# Altium PCB SDR_V21.PcbDoc (part 3 of 4)
Units mil, origin at the board's own origin, x right, y up, seen from the top; angles counter-clockwise.
Board outline 6000 x 4000 mil, 6 copper layers (Top Layer, DGND, Mid-Layer 2, Mid-Layer 3, Mid-Layer 4, Bottom Layer); 644 components, 321 nets, 2263 pads, 824 vias.
Unrouted connection lines stored in the file: 1227.
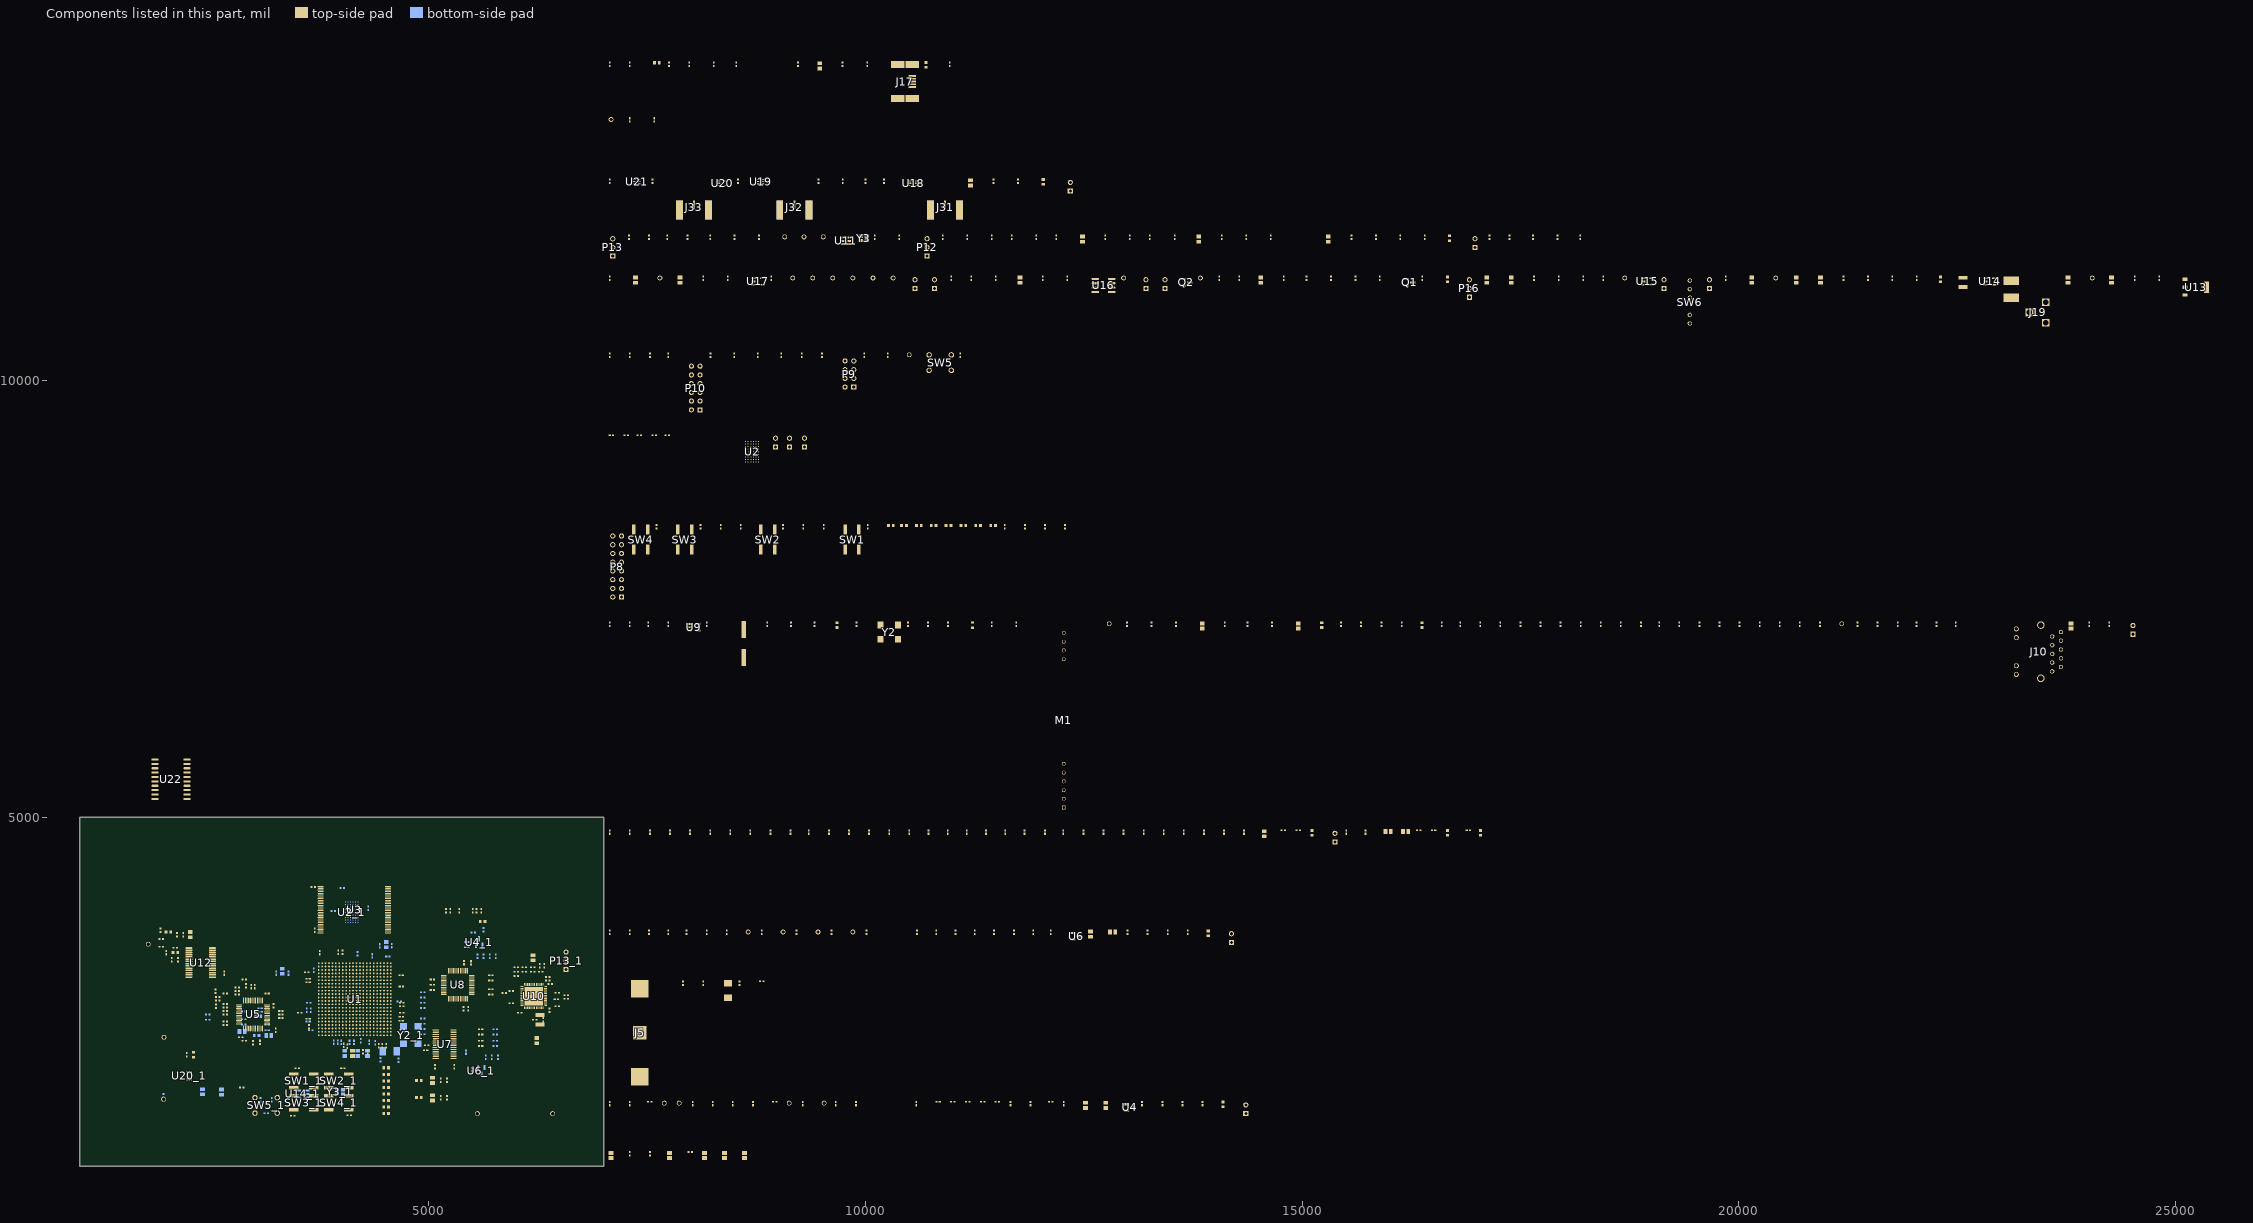
[diagram p7: the components of this part, seen from the top]

## Via types
v1: diameter 16, hole 6, Top Layer to Bottom Layer, 633 vias
v2: diameter 36, hole 20, Top Layer to Bottom Layer, 86 vias
v3: diameter 26, hole 16, Top Layer to Bottom Layer, 62 vias
v4: diameter 20, hole 10, Top Layer to Bottom Layer, 15 vias
v5: diameter 22, hole 12, Top Layer to Bottom Layer, 13 vias
v6: diameter 40, hole 20, Top Layer to Bottom Layer, 9 vias
v7: diameter 150, hole 125, Top Layer to Bottom Layer, 4 vias
v8: diameter 22, hole 10, Top Layer to Bottom Layer, 2 vias

## Nets (pads, with @x,y where several pads share a name; then routed paths per layer and width w, separated by ;. In a path a pad name is that pad's centre, name@x,y a point inside that pad or via, vN(x,y) a via of type N, cw(c..) or ccw(c..) an arc to the next point about the centre after c; other vN are vias at no path point) (continued)
copper on no net: | length 380792.4
  Top Layer w5: v1(1785,3454) 1785,3482.01 ; 1990,3469.68 v3@1990,3514 ; v1(2515,3115) 2515,3163.82 ; 2520.87,3270 v1(3010,3270) ; 2635,3820 2635,3680 2660,3655 3245,3655 3270,3630 3270,2900 3330,2840 3420,2840 3443.43,2816.57 3736.61,2816.57 ; 2635,3920 2580,3865 2580,3690 2640,3630 3215,3630 3240,3605 3240,2900 3320,2820 3410,2820 3433.11,2796.89 3756.3,2796.89 3775.98,2816.57 ; 2735,3920 2785,3870 2785,3705 2810,3680 3285,3680 3300,3665 3300,2900 3345,2855 3665,2855 3683.74,2836.26 3756.3,2836.26 3775.98,2855.95 ; 2835,3820 2835,3730 2860,3705 3305,3705 3325,3685 3325,2910 3359.37,2875.63 3756.3,2875.63 3775.98,2895.32 ; 2835,3920 2890,3865 2890,3760 2915,3735 3325,3735 3345,3715 3345,2930 3379.68,2895.32 3736.61,2895.32 ; 2865,3139.69 v1(2865,3100) 2875.32,3089.68 2905,3089.68 ; 2916.1,2578.58 2916.1,2579.57 2916.1,2624.1 2932,2640 v3(2951,2640) ; 2965,3079.68 v5(2965,3145) ; 2994.84,2578.58 2994.84,2531.84 ; v5(3005,2635) 3005,2660 2975,2690 2975,2785 3034.21,2844.21 3034.21,2900.43 3034.21,2901.42 ; 3005,3079.68 v5(3005,3130) ; 3007.05,1788.58 3007.05,1927.05 v6(3060,1980) ; 3014.53,2578.58 3014.53,2529.47 2997.21,2529.47 2994.84,2531.84 ; v1(3021,2466) 3017,2466 2994.84,2488.16 2994.84,2531.84 ; 3035,3820 2990,3865 2990,3970 3035,4015 3375,4015 3390,4000 3390,2980 3415.63,2954.37 3756.3,2954.37 3775.98,2934.69 ; 3035,3920 3035,3980 3045,3990 3355,3990 3365,3980 3365,2965 3395.31,2934.69 3736.61,2934.69 ; 3053.9,2901.42 3053.9,3038.9 3070,3055 v1(3170,3055) ; v5(3060,2845) 3063.84,2845 3082.34,2826.5 3144.33,2826.5 3146.42,2828.58 ; v5@3093.27,2853.27 3093.27,2901.42 ; 3146.42,2651.42 3363.58,2651.42 v1(3375,2640) ; 3220,2859.68 3240.32,2859.68 3250,2850 3250,2820 3265,2805 3350,2805 v1(3370,2785) ; 3233.27,2631.73 3237.45,2635.92 v1(3247,2635.92) ; 3262.95,1788.58 3262.95,2407.95 3632.2,2777.2 3736.61,2777.2 ; 3324.69,2700 v1(3410,2700) ; 3324.69,2740 v1(3385,2740) ; v1(3420,3195) 3419.5,3195.5 3674.5,3195.5 v1(3680,3190) ; v1(3420,3230) 3575.32,3230 ; v1(3434,3151) 3434.5,3150.5 3594.82,3150.5 ; v1(3450,3005) 3461.26,2993.74 3756.3,2993.74 3775.98,2974.06 ; v1(3465,4090) 3764.68,4090 ; v1(3480,4065) 3764.09,4065 ; v1(3500,4045) 3500.5,4045.5 3764.28,4045.5 ; v1(3520,4030) 3765.63,4030 ; 3539.69,2760 v1(3570,2760) ; v1(3540,4010) 3765.94,4010 ; v1(3545,2455) 3670.35,2580.35 3736.61,2580.35 ; v1(3555,3990) 3766.26,3990 ; v1(3557,2666) 3581,2690 3595.32,2690 ; v1(3575,3970) 3766.57,3970 ; v1(3590,3910) 3766.57,3910 ; 3595.32,3110 3594.82,3110.5 3594.82,3150.5 ; 3595.32,3150 3594.82,3150.5 ; v1(3600,3070) 3636.89,3033.11 3756.3,3033.11 3775.98,3013.43 ; v1(3610,3870) 3765.94,3870 ; 3619.69,3225 3680,3225 3714.41,3190.59 v1(3756.3,3190.59) 3775.98,3170.91 ; v1(3620,3020) 3626.57,3013.43 3736.61,3013.43 ; v1(3620,3815) 3636.73,3831.73 3951.73,3831.73 v1(3955,3835) ; 3625,2580.31 3355,2310.31 3355,2010 3420,1945 v1@4340,1945 ; 3625.04,2619.72 3736.61,2619.72 ; 3634.69,2690 3665,2690 3675,2700 v1(3675,2720) ; 3634.69,3110 v1(3675,3110) ; 3634.69,3150 3750,3150 3756.3,3143.7 v1(3756.3,3072.48) 3775.98,3052.8 ; v1(3650,3075) 3650,3072.8 3670,3052.8 3736.61,3052.8 ; v1@3655,3780 3667.36,3792.36 3759.17,3792.36 3972.36,3792.36 v1(3975,3795) ; 3655,4199.69 v1(3655,4129) 3656.99,4127.01 3767.05,4127.01 ; 3679.17,2058.74 3717.41,2020.5 4274.5,2020.5 v1(4280,2015) ; 3680.43,1650 v3(3765,1650) ; v1(3705.16,3930.16) 3767.05,3930.16 ; v1(3710.95,2855.95) 3736.61,2855.95 ; v1@3710.94,2974.06 3736.61,2974.06 ; v1(3711,3756) 3714.01,3752.99 3767.05,3752.99 ; v1(3716.93,2481.93) 3736.61,2501.61 ; v1(3716.93,2678.78) 3736.61,2698.46 ; v1(3716.93,2718.15) 3736.61,2737.83 ; v1(3716.93,3111.85) 3736.61,3092.17 ; v1(3716.93,3229.96) 3736.61,3210.28 ; v1(3716.93,3348.07) 3736.61,3328.39 ; 3736.61,2540.98 3640,2444.37 3640,2170 3650,2160 v1(4320,2160) ; 3736.61,2659.09 3589.09,2659.09 3310,2380 3310,1910 3375,1845 v1(4345,1845) ; 3736.61,3249.65 3634.5,3351.76 3634.5,3784.5 3662.05,3812.05 v1@3932.05,3812.05 ; 3736.61,3289.02 3665,3360.63 3665,3740 3697.68,3772.68 3759.17,3772.68 3767.05,3772.68 ; v1(3750,3385) 3750,3430 ; 3750,3469.68 v1(3750,3526) ; v1(3756.3,2560.67) 3775.98,2580.35 ; v1(3756.3,2718.15) 3775.98,2737.83 ; v1(3756.3,2757.52) 3775.98,2777.2 ; v1(3756.3,3229.96) 3775.98,3210.28 ; v1(3756.3,3308.7) 3775.98,3289.02 ; v1(3757.52,2680) 3775.98,2698.46 ; 3767.05,3713.62 3768.43,3715 v1(3960,3715) 3960.5,3714.5 4280.5,3714.5 v1(4305,3690) ; 3767.05,3733.31 v1(3839.5,3733.31) ; 3767.05,3851.42 3768.46,3850 v1(3915,3850) ; 3767.05,3871.1 4048.9,3871.1 v1(4055,3865) ; 3767.05,3890.79 3875.79,3890.79 v1(3880,3895) ; 3767.07,3910.5 4040.5,3910.5 v1(4055,3925) ; 3767.05,3949.84 3899.84,3949.84 v1(3905,3955) ; 3767.05,3969.53 3768.02,3970.5 4039.5,3970.5 v1(4055,3955) ; 3767.05,4008.9 3951.1,4008.9 3970,3990 v1(3975,3990) ; 3767.05,4028.58 3993.58,4028.58 4010,4045 4010,4125 4014.5,4129.5 v1@4240,4129.5 ; 3767.05,4048.27 v1(3973.27,4048.27) ; 3767.05,4067.95 3985,4067.95 3995,4077.95 3995,4134 4010.5,4149.5 4220.5,4149.5 v1(4225,4145) ; 3767.05,4087.64 3972.36,4087.64 v1(3975,4085) ; 3767.05,4146.69 3833.31,4146.69 v1(3839.5,4140.5) ; 3767.05,4166.38 4128.62,4166.38 v1(4130,4165) ; 3767.83,3990 v1(3925,3990) ; 3769.37,3775 4155.5,3775 4160.3,3770.21 4244.86,3770.21 4260,3755.07 v1(4260,3750) ; 3769.37,4105 v1(3855,4105) ; 3775.98,2354.02 3775.98,2501.61 ; 3775.98,2540.98 3756.3,2521.3 3756.3,2401.3 3735,2380 3735,2295 3785,2245 ; 3775.98,2659.09 3756.3,2639.41 3604.41,2639.41 3335,2370 3335,1915 3379.5,1870.5 v1@4280,1870.5 ; v1(3795.67,2521.3) 3815.35,2540.98 ; v1(3795.67,2560.67) 3815.35,2580.35 ; v1(3795.67,2600.04) 3815.35,2619.72 ; v1(3795.67,2639.41) 3815.35,2659.09 ; v1(3795.67,2678.78) 3815.35,2698.46 ; v1(3795.67,2718.15) 3815.35,2737.83 ; v1(3795.67,2757.52) 3815.35,2777.2 ; v1(3795.67,2796.89) 3815.35,2816.57 ; v1(3795.67,2836.26) 3815.35,2855.95 ; v1(3795.67,2875.63) 3815.35,2895.32 ; v1(3795.67,2954.37) 3815.35,2934.69 ; v1(3795.67,2993.74) 3815.35,2974.06 ; v1(3795.67,3033.11) 3815.35,3013.43 ; v1(3795.67,3072.48) 3815.35,3052.8 ; v1(3795.67,3111.85) 3815.35,3092.17 ; v1(3795.67,3190.59) 3815.35,3170.91 ; v1(3796.89,3150) 3815.35,3131.54 ; 3815.35,2501.61 3815.35,2394.65 3835,2375 3835,2295 3885,2245 ; 3815.35,3210.28 3795.67,3229.96 3795.67,3615.67 3810,3630 v1(3915,3630) ; v1(3835,3650) 4035,3650 4051.57,3633.43 4051.57,3328.39 ; v1(3835.04,2481.93) 3854.72,2501.61 ; v1(3835.04,2521.3) 3854.72,2540.98 ; v1(3835.04,2560.67) 3854.72,2580.35 ; v1(3835.04,2600.04) 3854.72,2619.72 ; v1(3835.04,2639.41) 3854.72,2659.09 ; v1(3835.04,2678.78) 3854.72,2698.46 ; v1(3835.04,2718.15) 3854.72,2737.83 ; v1(3835.04,2796.89) 3854.72,2816.57 ; v1(3835.04,2836.26) 3854.72,2855.95 ; v1(3835.04,2875.63) 3854.72,2895.32 ; v1(3835.04,2954.37) 3854.72,2934.69 ; v1(3835.04,2993.74) 3854.72,2974.06 ; v1(3835.04,3033.11) 3854.72,3013.43 ; v1(3835.04,3072.48) 3854.72,3052.8 ; v1(3835.04,3111.85) 3854.72,3092.17 ; v1(3835.04,3151.22) 3854.72,3131.54 ; v1(3835.04,3190.59) 3854.72,3170.91 ; v1(3835.04,3348.07) 3854.72,3328.39 ; v1(3860,3610) 3920,3610 3933.46,3596.54 3933.46,3328.39 ; v1(3874.41,2521.3) 3894.09,2540.98 ; v1(3874.41,2560.67) 3894.09,2580.35 ; v1(3874.41,2600.04) 3894.09,2619.72 ; v1(3874.41,2639.41) 3894.09,2659.09 ; v1(3874.41,2678.78) 3894.09,2698.46 ; v1(3874.41,2718.15) 3894.09,2737.83 ; v1(3874.41,2836.26) 3894.09,2855.95 ; v1(3874.41,2875.63) 3894.09,2895.32 ; v1(3874.41,2954.37) 3894.09,2934.69 ; v1(3874.41,2993.74) 3894.09,2974.06 ; v1(3874.41,3033.11) 3894.09,3013.43 ; v1(3874.41,3072.48) 3894.09,3052.8 ; v1(3874.41,3111.85) 3894.09,3092.17 ; v1(3874.41,3151.22) 3894.09,3131.54 ; v1(3874.41,3308.7) 3894.09,3289.02 ; 3894.09,3328.39 v1@3894.09,3554.09 ; v1(3913.78,2560.67) 3933.46,2580.35 ; v1(3913.78,2639.41) 3933.46,2659.09 ; v1(3913.78,2718.15) 3933.46,2737.83 ; v1(3913.78,2836.26) 3933.46,2855.95 ; v1(3913.78,2875.63) 3933.46,2895.32 ; v1(3913.78,2954.37) 3933.46,2934.69 ; v1(3913.78,2993.74) 3933.46,2974.06 ; v1(3913.78,3033.11) 3933.46,3013.43 ; v1(3913.78,3072.48) 3933.46,3052.8 ; v1(3913.78,3111.85) 3933.46,3092.17 ; v1(3913.78,3151.22) 3933.46,3131.54 ; v1(3913.78,3190.59) 3933.46,3170.91 ; v1(3913.78,3229.96) 3933.46,3210.28 ; v1(3915,3580) 3915,3307.48 3933.46,3289.02 ; v1(3950.5,3379.5) 3950.5,3380.5 3960,3390 3960,3435.31 ; v1(3953.15,2600.04) 3972.83,2619.72 ; v1(3953.15,2678.78) 3972.83,2698.46 ; v1(3953.15,2718.15) 3972.83,2737.83 ; v1(3953.15,2796.89) 3972.83,2816.57 ; v1(3953.15,2836.26) 3972.83,2855.95 ; v1(3953.15,2875.63) 3972.83,2895.32 ; v1(3953.15,2954.37) 3972.83,2934.69 ; v1(3953.15,2993.74) 3972.83,2974.06 ; v1(3953.15,3033.11) 3972.83,3013.43 ; v1(3953.15,3072.48) 3972.83,3052.8 ; v1(3953.15,3151.22) 3972.83,3131.54 ; v1(3953.15,3190.59) 3972.83,3170.91 ; 3960,3474.68 4010,3474.68 v1(4010,3525) ; 3972.83,3328.39 v1@3972.83,3352.17 ; v1(3992.52,2560.67) 4012.2,2580.35 ; v1(3992.52,2718.15) 4012.2,2737.83 ; v1(3992.52,2757.52) 4012.2,2777.2 ; v1(3992.52,2796.89) 4012.2,2816.57 ; v1(3992.52,2836.26) 4012.2,2855.95 ; v1(3992.52,2875.63) 4012.2,2895.32 ; v1(3992.52,2954.37) 4012.2,2934.69 ; v1(3992.52,2993.74) 4012.2,2974.06 ; v1(3992.52,3033.11) 4012.2,3013.43 ; v1(3992.52,3072.48) 4012.2,3052.8 ; v1(3992.52,3111.85) 4012.2,3092.17 ; 4010,3435.31 3992.52,3417.83 v1(3992.52,3308.7) 4012.2,3289.02 ; 4020,2399.69 v1(4020,2440) ; v1(4030,3575) 4031.89,3573.11 4031.89,3308.7 4051.57,3289.02 ; v1(4031.89,2481.93) 4051.57,2501.61 ; v1(4031.89,2521.3) 4051.57,2540.98 ; v1(4031.89,2718.15) 4051.57,2737.83 ; v1(4031.89,2757.52) 4051.57,2777.2 ; v1(4031.89,2796.89) 4051.57,2816.57 ; v1(4031.89,2836.26) 4051.57,2855.95 ; v1(4031.89,2875.63) 4051.57,2895.32 ; v1(4031.89,2954.37) 4051.57,2934.69 ; v1(4031.89,2993.74) 4051.57,2974.06 ; v1(4031.89,3033.11) 4051.57,3013.43 ; v1(4031.89,3072.48) 4051.57,3052.8 ; v1(4031.89,3111.85) 4051.57,3092.17 ; v1(4031.89,3229.96) 4051.57,3210.28 ; v1(4031.89,3269.33) 4051.57,3249.65 ; 4044.53,2125 4055.47,2120 v1(4360,2120) ; v1@4050,4105 v1(4052.32,4107.32) 4522.95,4107.32 ; 4065,2394.69 4065,2439.5 v1(4065.5,2440) ; v1(4070,4200) 4085.5,4184.5 4106.42,4184.5 4108.99,4187.07 4257.93,4187.07 4298.31,4146.69 4522.95,4146.69 ; v1(4071.26,2481.93) 4090.94,2501.61 ; v1(4071.26,2521.3) 4090.94,2540.98 ; v1(4071.26,2560.67) 4090.94,2580.35 ; v1(4071.26,2600.04) 4090.94,2619.72 ; v1(4071.26,2639.41) 4090.94,2659.09 ; v1(4071.26,2678.78) 4090.94,2698.46 ; v1(4071.26,2718.15) 4090.94,2737.83 ; v1(4071.26,2757.52) 4090.94,2777.2 ; v1(4071.26,2796.89) 4090.94,2816.57 ; v1(4071.26,2836.26) 4090.94,2855.95 ; v1(4071.26,2875.63) 4090.94,2895.32 ; v1(4071.26,2954.37) 4090.94,2934.69 ; v1(4071.26,2993.74) 4090.94,2974.06 ; v1(4071.26,3033.11) 4090.94,3013.43 ; v1(4071.26,3072.48) 4090.94,3052.8 ; v1(4071.26,3111.85) 4090.94,3092.17 ; v1(4071.26,3190.59) 4090.94,3170.91 ; v1(4071.26,3229.96) 4090.94,3210.28 ; v1(4071.26,3269.33) 4090.94,3249.65 ; v1(4085,3955) 4115,3985 4115,4030 4133.27,4048.27 4701.73,4048.27 4710,4040 4710,3530 4670,3490 4435.86,3490 4400.36,3454.5 4343.58,3454.5 4304.08,3494 v1(4229.5,3494) ; v1(4085,3985) 4104.5,4004.5 4104.5,4064.5 4519.5,4064.5 4522.95,4067.95 4530.83,4067.95 4712.05,4067.95 4720,4060 4720,3520 4680,3480 4440,3480 4404.5,3444.5 4330.5,3444.5 4296.5,3478.5 4173.5,3478.5 4170,3475 4170,3328.7 ; 4090,1662.09 v3(4090,1705) ; 4090.94,3289.02 4071.26,3308.7 4071.26,3656.26 4085,3670 4400,3670 4415,3685 v1(4415,3695) ; 4090.94,3328.39 v1@4090.94,3354.06 ; v1(4100,4200) 4275,4200 4308.62,4166.38 4522.95,4166.38 ; v1(4110.63,2600.04) 4130.31,2619.72 ; v1(4110.63,2678.78) 4130.31,2698.46 ; v1(4110.63,2718.15) 4130.31,2737.83 ; v1(4110.63,2757.52) 4130.31,2777.2 ; v1(4110.63,2796.89) 4130.31,2816.57 ; v1(4110.63,2836.26) 4130.31,2855.95 ; v1(4110.63,2875.63) 4130.31,2895.32 ; v1(4110.63,2954.37) 4130.31,2934.69 ; v1(4110.63,2993.74) 4130.31,2974.06 ; v1(4110.63,3033.11) 4130.31,3013.43 ; v1(4110.63,3072.48) 4130.31,3052.8 ; v1(4110.63,3111.85) 4130.31,3092.17 ; v1(4110.63,3190.59) 4130.31,3170.91 ; v1(4110.63,3229.96) 4130.31,3210.28 ; v1(4110.63,3269.33) 4130.31,3249.65 ; v1(4121.69,3733.31) 4530.83,3733.31 4581.69,3733.31 4590,3725 4590,3640 4569.5,3619.5 4265.5,3619.5 v1(4250,3635) ; v1(4130,3590) 4170,3590 4205.5,3554.5 4319.5,3554.5 4330,3565 4615,3565 4640,3590 4640,3825 4633.27,3831.73 4530.83,3831.73 4286.73,3831.73 4281.6,3826.6 4281.6,3811.4 4260.81,3790.6 ; 4130.31,2329.84 4130.31,2501.61 ; 4130.31,3289.02 4110.63,3308.7 4110.63,3645.63 4120,3655 4460,3655 v1(4470,3665) ; v1(4145,3806.18) 4152.61,3806.18 4168.58,3790.21 4181.42,3790.21 4181.81,3790.6 4260.02,3790.6 4260.41,3790.21 ; v1(4145,3835.71) 4145,3828.1 4129.5,3812.6 4129.5,3799.76 4138.58,3790.68 4153.97,3790.68 4164.44,3780.21 4249,3780.21 4256.54,3772.68 ; v1(4145,3954.76) 4129.5,3970.26 4129.5,4009.5 4149.79,4029.79 4521.74,4029.79 4522.95,4028.58 4530.83,4028.58 4691.42,4028.58 4700,4020 4700,3540 4660,3500 4431.72,3500 4396.22,3464.5 4360.5,3464.5 4335,3490 v1(4330,3490) ; v1(4150,4080) 4157.64,4087.64 4530.83,4087.64 4722.36,4087.64 4730,4080 4730,3510 4690,3470 4445,3470 4409.5,3434.5 4324,3434.5 4290,3468.5 4198.5,3468.5 4189.37,3459.37 4189.37,3308.7 4169.69,3289.02 ; v1(4155,4165) 4250,4165 4287.99,4127.01 4522.95,4127.01 ; v1(4165,3535) 4170,3535 4185.5,3519.5 4241.42,3519.5 4256.42,3534.5 4329.5,3534.5 4340,3545 4635,3545 4660,3570 4660,3865 4653.9,3871.1 4530.83,3871.1 4281.1,3871.1 4261.6,3851.6 4261.6,3819.68 4252.52,3810.6 4239.68,3810.6 4215.05,3835.24 v1(4175,3835.24) ; v1(4165,3560) 4165,3557.42 4149.5,3541.92 4149.5,3523.87 4163.87,3509.5 4324.5,3509.5 4350,3535 4645,3535 4670,3560 4670,3880 4659.21,3890.79 4530.83,3890.79 v1(4395.79,3890.79) ; 4169.69,2540.98 v1(4189.37,2521.3) ; 4169.69,2777.2 v1(4189.37,2757.52) ; 4169.69,2816.57 v1(4189.37,2796.89) ; 4169.69,2855.95 v1(4189.37,2836.26) ; 4169.69,2895.32 v1(4189.37,2875.63) ; 4169.69,2934.69 v1(4189.37,2954.37) ; 4169.69,2974.06 v1(4189.37,2993.74) ; 4169.69,3013.43 v1(4189.37,3033.11) ; 4169.69,3052.8 v1(4189.37,3072.48) ; 4169.69,3092.17 v1(4189.37,3111.85) ; 4169.69,3170.91 v1(4189.37,3190.59) ; 4169.69,3210.28 v1(4189.37,3229.96) ; 4169.69,3249.65 v1(4189.37,3269.33) ; v1(4175,3805.71) 4180.11,3800.6 4256.66,3800.6 4271.6,3815.54 4271.6,3836.6 4286.42,3851.42 4530.83,3851.42 4643.58,3851.42 4650,3845 4650,3580 4625,3555 4335,3555 4324.5,3544.5 4245,3544.5 4235.5,3535 v1(4235,3535) ; v1(4195,3595) 4225.5,3564.5 4314.5,3564.5 4325,3575 4605,3575 4630,3600 4630,3805 4622.95,3812.05 4530.83,3812.05 4324.69,3812.05 v1(4320.5,3816.23) ; 4209.06,2698.46 v1(4228.74,2678.78) ; 4209.06,2777.2 v1(4228.74,2757.52) ; 4209.06,2816.57 v1(4228.74,2796.89) ; 4209.06,2855.95 v1(4228.74,2836.26) ; 4209.06,2895.32 v1(4228.74,2875.63) ; 4209.06,2934.69 v1(4228.74,2954.37) ; 4209.06,2974.06 v1(4228.74,2993.74) ; 4209.06,3013.43 v1(4228.74,3033.11) ; 4209.06,3052.8 v1(4228.74,3072.48) ; 4209.06,3092.17 v1(4228.74,3111.85) ; 4209.06,3131.54 v1(4228.74,3151.22) ; 4209.06,3170.91 v1(4228.74,3190.59) ; 4209.06,3210.28 v1(4228.74,3229.96) ; 4209.06,3249.65 v1(4228.74,3269.33) ; 4209.06,3289.02 v1(4228.74,3308.7) ; 4209.06,3328.39 v1(4228.74,3348.07) ; v1(4215,3635) 4240.5,3609.5 4579.5,3609.5 4600,3630 4600,3745 4592.01,3752.99 4530.83,3752.99 4522.95,3752.99 ; v1(4235,3590) 4240,3590 4255.5,3574.5 4309.5,3574.5 4324.5,3589.5 4599.5,3589.5 4620,3610 4620,3780 4607.64,3792.36 4530.83,3792.36 4522.95,3792.36 ; v1(4245,3390) 4248.43,3386.57 4248.43,3328.39 ; v1(4246.1,3826.1) 4250,3830 4250,4005 4253.9,4008.9 4530.83,4008.9 4681.1,4008.9 4690,4000 4690,3550.86 4654.14,3515 4395,3515 v1(4385,3505) ; 4248.43,2580.35 v1(4268.11,2560.67) ; 4248.43,2737.83 v1(4268.11,2718.15) ; 4248.43,2777.2 v1(4268.11,2757.52) ; 4248.43,2816.57 v1(4268.11,2796.89) ; 4248.43,2855.95 v1(4268.11,2836.26) ; 4248.43,2895.32 v1(4268.11,2875.63) ; 4248.43,2934.69 v1(4268.11,2954.37) ; 4248.43,2974.06 v1(4268.11,2993.74) ; 4248.43,3013.43 v1(4268.11,3033.11) ; 4248.43,3052.8 v1(4268.11,3072.48) ; 4248.43,3092.17 v1(4268.11,3111.85) ; 4248.43,3131.54 v1(4268.11,3151.22) ; 4248.43,3170.91 v1(4268.11,3190.59) ; 4248.43,3210.28 v1(4268.11,3229.96) ; 4248.43,3249.65 v1(4268.11,3269.33) ; 4248.43,3289.02 4268.11,3308.7 4268.11,3396.89 v1(4260,3405) ; 4250,2339.69 v1(4250,2420) ; 4257.32,3772.68 4530.83,3772.68 4602.32,3772.68 4610,3765 4610,3620 4589.5,3599.5 4309.5,3599.5 v1(4300,3590) ; v1@4280.5,3629.5 4564.5,3629.5 4580,3645 4580,3710 4576.38,3713.62 4530.83,3713.62 4522.95,3713.62 ; 4287.8,2501.61 v1(4307.48,2481.93) ; 4287.8,2540.98 v1(4307.48,2521.3) ; 4287.8,2580.35 v1(4307.48,2560.67) ; 4287.8,2619.72 v1(4307.48,2600.04) ; 4287.8,2659.09 v1(4307.48,2639.41) ; 4287.8,2698.46 v1(4307.48,2678.78) ; 4287.8,2737.83 v1(4307.48,2718.15) ; 4287.8,2777.2 v1(4307.48,2757.52) ; 4287.8,2816.57 v1(4307.48,2796.89) ; 4287.8,2855.95 v1(4307.48,2836.26) ; 4287.8,2895.32 v1(4307.48,2875.63) ; 4287.8,2934.69 v1(4307.48,2954.37) ; 4287.8,2974.06 v1(4307.48,2993.74) ; 4287.8,3013.43 v1(4307.48,3033.11) ; 4287.8,3052.8 v1(4307.48,3072.48) ; 4287.8,3092.17 v1(4307.48,3111.85) ; 4287.8,3131.54 v1(4307.48,3151.22) ; 4287.8,3210.28 v1(4307.48,3229.96) ; 4287.8,3249.65 v1(4307.48,3269.33) ; 4287.8,3289.02 v1(4307.48,3308.7) ; 4287.8,3328.39 v1(4307,3347.59) ; 4300,2329.69 4310.31,2329.69 v1(4345,2295) ; v1(4320.5,3790) 4520.59,3790 ; v1(4325,3755) 4520.94,3755 ; v1(4327.17,2477.83) 4327.17,2501.61 ; 4327.17,2540.98 4346.85,2521.3 v1(4346.85,2333.15) ; 4327.17,2580.35 v1(4346.85,2560.67) ; 4327.17,2619.72 v1(4346.85,2600.04) ; 4327.17,2698.46 v1(4346.85,2678.78) ; 4327.17,2737.83 v1(4346.85,2718.15) ; 4327.17,2777.2 v1(4346.85,2757.52) ; 4327.17,2816.57 v1(4346.85,2796.89) ; 4327.17,2855.95 v1(4346.85,2836.26) ; 4327.17,2895.32 v1(4346.85,2875.63) ; 4327.17,2934.69 v1(4346.85,2954.37) ; 4327.17,2974.06 v1(4346.85,2993.74) ; 4327.17,3013.43 v1(4346.85,3033.11) ; 4327.17,3052.8 v1(4346.85,3072.48) ; 4327.17,3092.17 v1(4346.85,3111.85) ; 4327.17,3131.54 v1(4346.85,3151.22) ; 4327.17,3170.91 v1(4346.85,3190.59) ; 4327.17,3289.02 v1(4346.85,3308.7) ; 4327.17,3328.39 v1(4346.85,3348.07) ; v1(4350,3715) 4521.57,3715 ; v1(4360,3510) 4375,3525 4650,3525 4680,3555 4680,3940 4670.16,3949.84 4530.83,3949.84 4522.95,3949.84 ; v1(4366.54,2476.54) 4366.54,2501.61 ; 4366.54,2540.98 4386.22,2521.3 4386.22,2268.78 4395,2260 v1(4550,2260) ; 4366.54,2659.09 v1(4386.22,2639.41) ; 4366.54,2816.57 v1(4386.22,2796.89) ; 4366.54,2934.69 v1(4386.22,2954.37) ; 4366.54,2974.06 v1(4386.22,2993.74) ; 4366.54,3013.43 v1(4386.22,3033.11) ; 4366.54,3092.17 v1(4386.22,3111.85) ; 4366.54,3131.54 v1(4386.22,3151.22) ; 4366.54,3170.91 v1(4386.22,3190.59) ; 4366.54,3210.28 v1(4386.22,3229.96) ; 4366.54,3249.65 v1(4386.22,3269.33) ; 4366.54,3291.46 4385,3309.92 v1(4385,3380) ; 4366.54,3328.39 4366.54,3411.04 4380,3424.5 4413.64,3424.5 4449.14,3460 5370,3460 5420,3510 5470,3510 5480,3520 5480,3559.21 ; v1@4385.47,3910.47 4522.95,3910.47 ; v1@4385.5,3949.84 4385.5,3949.5 4522.95,3949.5 ; 4405.91,2501.61 v1(4425.59,2481.93) 4465,2442.52 4465,2399.69 ; 4405.91,2540.98 v1(4425.59,2521.3) ; 4405.91,2619.72 v1(4425.59,2600.04) ; 4405.91,2698.46 v1(4425.59,2678.78) ; 4405.91,2737.83 v1(4425.59,2718.15) ; 4405.91,2816.57 v1(4425.59,2796.89) ; 4405.91,2855.95 v1(4425.59,2836.26) ; 4405.91,2974.06 v1(4425.59,2993.74) ; 4405.91,3013.43 v1(4425.59,3033.11) ; 4405.91,3092.17 v1(4425.59,3111.85) ; 4405.91,3131.54 v1(4425.59,3151.22) ; 4405.91,3170.91 v1(4425.59,3190.59) ; 4405.91,3249.65 v1(4425.59,3269.33) ; 4405.91,3289.02 v1(4425.59,3308.7) ; 4405.91,3328.39 4405.91,3370.91 4415,3380 4460,3380 4505,3425 v1(4730,3425) ; v1(4413,2314) 4412,2315 4412,2347.32 4425,2360.32 ; 4425,2399.69 v1(4425,2440) ; 4445.28,2501.61 v1(4464.96,2481.93) ; 4445.28,2540.98 4464.96,2521.3 4783.7,2521.3 v1(4785,2520) ; 4445.28,2580.35 v1(4464.96,2560.67) ; 4445.28,2698.46 v1(4464.96,2678.78) 4464.96,2650.04 4475,2640 4590,2640 4620,2670 4655,2670 ; 4445.28,2816.57 v1(4464.96,2796.89) ; 4445.28,2855.95 v1(4464.96,2836.26) ; 4445.28,2895.32 v1(4464.96,2875.63) ; 4445.28,2934.69 